# KiCad board CPU2908C3bak.kicad_pcb (continued)
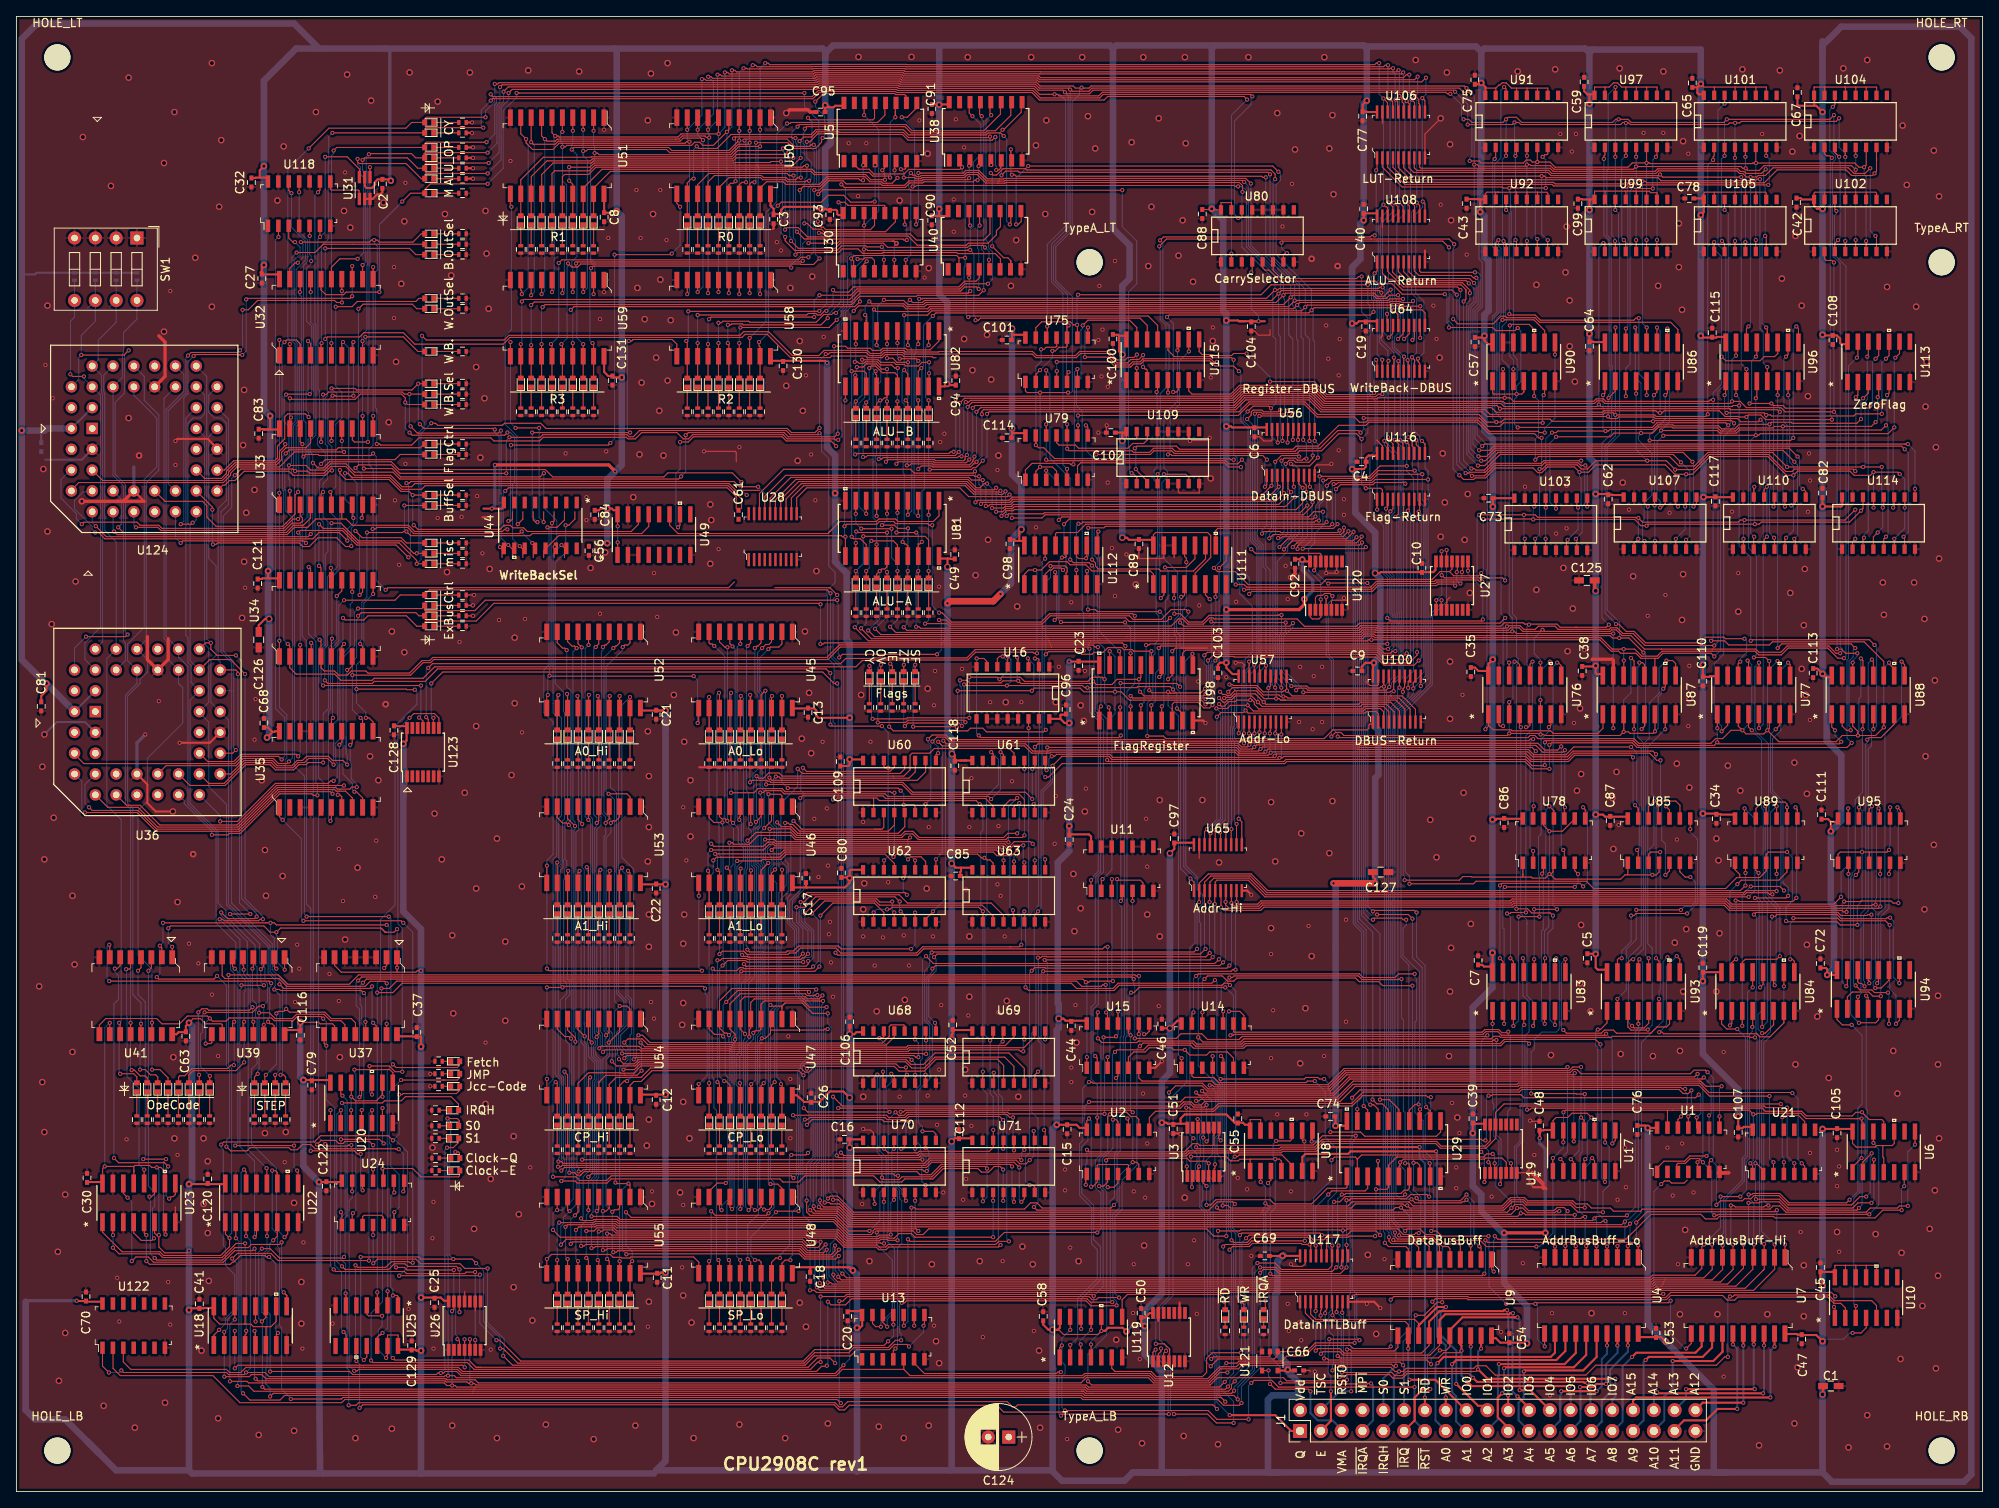
[diagram p0: board, top side]
## Routing (per net, layer and track width the routed paths; a pad name or vN(x,y) marks a point on that pad's centre or on a via; arc(x,y) is an arc through that point) (continued)
  Top w0.127: v1(108.32,100.89) 108.3,100.88 D31.2 ; U15.2 131.92,52.9 v1(131.69,53.14) ; v1(115.4,93.43) 115.05,93.78 108.83,93.78 v1(108.44,93.4) ; v1(122.16,101.78) 122.27,101.67 U16.4 ; U116.8 170.63,119.21 v1(171.04,118.8) ; v1(115.18,98.99) 116.05,98.99 116.36,98.67 120.19,98.67 120.44,98.93 v1(122.29,98.93) 122.61,98.61 131.18,98.61 v1(131.43,98.86) 131.81,98.48 133.72,98.48 134.35,99.11 v1(137.02,99.11) 137.26,99.35 U98.16 ; v1(137.15,97.59) 137.65,97.09 144.9,97.09 v1(145.15,97.34) ; v1(170.97,102.42) 170.97,102.06 170,101.09 167.03,101.09 165.96,102.16 146.2,102.16 v1(145.44,101.4) ; 137.26,100.26 137.02,100.02
  Bottom w0.127: v1(137.15,97.59) 137.02,97.72 v1(137.02,99.11) ; v1(145.15,97.34) 145.53,97.72 145.53,100.96 145.44,101.05 v1(145.44,101.4) ; v1(108.32,100.89) 108.32,93.53 v1(108.44,93.4) ; v1(131.69,53.14) 131.43,53.39 131.43,58.86 132.07,59.49 132.07,74.98 132.7,75.62 132.7,94.16 131.69,95.18 131.69,97.52 131.68,97.52 131.68,98.61 v1(131.43,98.86) ; v1(171.04,118.8) 170.97,118.73 v1(170.97,102.42) ; v1(122.29,98.93) 122.16,99.06 v1(122.16,101.78) ; v1(115.18,98.99) 115.18,98.34 115.33,98.18 115.33,93.85 115.4,93.78 v1(115.4,93.43)
/Sequencer/FlagIn7: length 138
  Top w0.127: v1(145.15,96.07) 144.64,96.57 135.87,96.57 134.85,97.59 v1(134.1,97.59) 130.29,97.59 129.84,98.04 124.26,98.04 v1(123.94,97.72) v1(114.89,97.72) ; v1(109.46,93.34) 114.73,93.34 v1(114.79,93.27) ; v1(171.17,101.4) 170.6,100.83 166.93,100.83 165.94,101.83 148.66,101.83 148.58,101.91 146.87,101.91 v1(146.36,101.4) ; v1(133.45,102.54) 133.45,101.27 ; U16.3 123.54,101.59 v1(123.47,101.66) ; D32.2 109.7,100.88 v1(109.71,100.89) ; v1(171.17,119.56) 171.28,119.68 U116.9 ; v1(132.57,74.73) 132.43,74.59 U11.2
  Bottom w0.127: v1(171.17,119.56) 171.48,119.25 171.48,101.71 v1(171.17,101.4) ; v1(145.15,96.07) 146.04,96.96 146.04,101.02 146.36,101.34 v1(146.36,101.4) ; v1(109.46,93.34) 109.46,100.64 v1(109.71,100.89) ; v1(123.94,97.72) 124.19,97.97 124.19,98.6 124.19,98.61 124.19,100.94 v1(123.47,101.66) ; v1(133.45,102.54) 134.1,101.89 v1(134.1,97.59) 134.1,94.92 133.72,94.54 133.72,75.87 v1(132.57,74.73) ; v1(114.79,93.27) 114.89,93.37 v1(114.89,97.72)
/Sequencer/JG: length 58.6
  Top w0.127: U20.10 v1(43.4,48.44) ; v1(47.99,94.42) 48.5,94.93 51.04,94.93 51.58,94.39 U123.8 ; v1(43.11,51.93) 45.52,51.93 46.21,51.24 v1(47.1,51.24)
  Bottom w0.127: v1(47.99,94.42) 46.57,92.99 46.57,69.3 47.1,68.76 v1(47.1,51.24) ; v1(43.4,48.44) 43.11,48.74 v1(43.11,51.93)
/Sequencer/JL: length 134
  Top w0.127: v1(42.15,46.54) 42.13,46.52 U20.4 ; v1(130.67,53.01) 130.65,53 U15.1 ; v1(133.84,62.28) 131.02,62.28 130.9,62.16 v1(130.54,62.16) 130.16,62.54 42.74,62.54 v1(42.29,62.09) ; v1(133.72,74.73) 133.72,73.33
  Bottom w0.127: 41.96,59.93 41.96,60.06 ; 41.96,60.06 41.96,59.42 42.15,59.24 42.15,57.14 42.4,56.89 42.4,46.79 v1(42.15,46.54) ; 41.96,60.06 41.96,61.76 v1(42.29,62.09) ; v1(133.72,74.73) 133.72,62.41 v1(133.84,62.28) ; v1(130.67,53.01) 130.67,62.03 v1(130.54,62.16)
/Sequencer/JUMP_OP: length 151.8
  Top w0.127: D183.2 54.11,48.98 53.71,48.57 47.2,48.57 47.08,48.44 v1(46.72,48.44) ; v1(106.41,18.34) 105.9,17.84 102.09,17.84 101.59,17.33 97.44,17.33 96.04,15.93 61.55,15.93 59.01,18.47 v1(58.6,18.47) ; v1(56.57,26.47) 56.44,26.34 v1(46.72,26.34) ; v1(24.75,19.74) 24.1,19.09 U18.1 ; v1(25.01,42.35) 25.32,42.66 36.37,42.66 37.13,43.42 45.39,43.42 v1(45.96,42.85) ; v1(107.05,20.38) 107.03,20.39 U13.11
  Bottom w0.127: v1(25.01,42.35) 25.01,41.99 25.26,41.74 25.26,30.03 25.51,29.77 25.51,27.61 26.66,26.47 26.66,22.28 25.51,21.14 25.51,20.5 v1(24.75,19.74) ; v1(56.57,26.47) 56.57,20.5 v1(58.6,18.47) ; v1(107.05,20.38) 107.05,18.98 v1(106.41,18.34) ; v1(46.72,48.44) 46.72,43.62 v1(45.96,42.85) 46.31,42.85 47.74,41.43 47.74,27.36 v1(46.72,26.34)
/Sequencer/OP4: length 33
  Top w0.127: v1(11.78,29.76) 12.53,29.01 17.41,29.01 17.86,28.56 25.09,28.56 26.82,30.28 v1(27.93,30.28) ; v1(28.05,19.61) 28.05,19.25 27.91,19.1 U18.4 ; U23.2 11.78,31.31 v1(11.8,31.3)
  Bottom w0.127: v1(11.8,31.3) 11.8,29.77 v1(11.78,29.76) ; v1(28.05,19.61) 28.05,28.88 27.93,29.01 v1(27.93,30.28)
/Sequencer/OP5: length 31.6
  Top w0.127: U18.7 31.72,19.16 v1(31.92,19.36) ; v1(15.86,31.3) 15.61,31.55 15.61,32.69 ; v1(15.86,28.12) 16.24,27.74 26.13,27.74 26.39,28 26.53,28 27.35,28.82 30.34,28.82 30.34,28.78 30.49,28.63 v1(30.85,28.63)
  Bottom w0.127: v1(31.92,19.36) 31.67,19.61 31.67,27.8 v1(30.85,28.63) ; v1(15.86,28.12) v1(15.86,31.3)
/Sequencer/OP6: length 36.8
  Top w0.127: v1(29.07,29.65) 28.82,29.4 26.65,29.4 25.25,28 16.73,28 16.1,28.63 14.59,28.63 v1(14.08,28.12) ; U18.12 29.18,20.77 v1(29.2,20.76) ; v1(13.57,35.87) 13.05,36.39 U23.14
  Bottom w0.127: v1(29.07,29.65) 29.2,29.52 v1(29.2,20.76) ; v1(14.08,28.12) 14.08,35.36 v1(13.57,35.87)
/Sequencer/OP7: length 35.4
  Top w0.127: U18.9 32.99,23.95 32.87,24.06 ; 33.01,23.04 33.01,23.93 32.87,24.06 ; v1(16.88,28.5) 17.13,28.25 25.15,28.25 26.67,29.77 28.31,29.77 28.69,30.15 32.12,30.15 v1(32.37,30.41) ; v1(16.24,36) 16.5,36 16.86,36.36 U23.11 ; 32.87,24.06 v1(32.62,24.31)
  Bottom w0.127: v1(32.37,30.41) 32.37,24.57 v1(32.62,24.31) ; v1(16.24,36) 16.24,35.64 16.37,35.52 16.37,33.18 16.36,33.17 16.36,31.13 16.35,31.11 16.35,29.03 v1(16.88,28.5)
/Sequencer/OpeCode0: length 39.9
  Top w0.127: U39.3 30.2,64.1 v1(29.83,63.74) ; v1(29.07,31.04) 29.31,31.28 U22.4 ; v1(27.47,61.78) v1(30.21,61.78)
  Bottom w0.127: v1(27.47,61.78) 27.47,61.42 27.29,61.24 27.29,42.09 29.07,40.31 v1(29.07,31.04) ; v1(30.21,61.78) 29.83,62.16 v1(29.83,63.74)
/Sequencer/OpeCode1: length 38.5
  Top w0.127: v1(28.81,63.81) 28.93,63.92 U39.4 ; v1(32.74,31.04) 33.12,31.42 U22.7
  Bottom w0.127: v1(32.74,31.04) 31.74,32.04 31.74,39.43 28.69,42.47 28.69,51.53 29.37,52.21 29.37,57.79 29.19,57.97 29.19,58.64 29.3,58.75 29.3,59.51 28.81,60 v1(28.81,63.81)
/Sequencer/OpeCode2: length 28.8
  Top w0.127: U22.12 30.58,39.41 v1(30.54,39.45) ; v1(27.74,63.68) 27.74,64.14 27.66,64.22 U39.5
  Bottom w0.127: v1(27.74,63.68) 27.74,63.11 28.29,62.56 28.29,41.7 v1(30.54,39.45)
/Sequencer/OpeCode3: length 35.4
  Top w0.127: v1(26.66,63.81) 26.39,64.08 U39.6 ; v1(33.9,42.22) v1(26.72,42.22) ; U22.9 34.39,39.06 v1(34.28,39.17)
  Bottom w0.127: v1(26.66,63.81) 27.03,63.44 27.03,42.53 v1(26.72,42.22) ; v1(34.28,39.17) 33.9,39.55 v1(33.9,42.22)
/Sequencer/OpeCode4: length 38.7
  Top w0.127: v1(16.11,63.56) 16.48,63.92 U41.3 ; v1(16.79,30.9) 16.54,30.65 15.24,30.65 14.32,31.57 14.32,32.31
  Bottom w0.127: 16.62,31.3 16.62,31.3 ; 16.62,31.3 16.62,31.08 v1(16.79,30.9) ; 16.62,31.3 16.62,31.8 16.62,31.8 16.62,34.54 16.88,34.8 16.88,36.5 16.11,37.27 16.11,63.2 16.11,63.2 v1(16.11,63.56)
/Sequencer/OpeCode5: length 38.3
  Top w0.127: 18.13,32.19 18.21,32.11 v1(18.21,31.36) ; v1(18.27,40.57) v1(15.48,40.57) ; v1(14.84,63.56) 15.21,63.92 U41.4
  Bottom w0.127: v1(18.27,40.57) 17.96,40.25 17.96,31.61 v1(18.21,31.36) ; v1(15.48,40.57) 15.73,40.82 15.73,59.75 14.84,60.63 v1(14.84,63.56)
/Sequencer/OpeCode6: length 29
  Top w0.127: v1(15.61,39.29) 15.59,39.27 U23.12 ; U41.5 13.94,63.92 13.76,63.74 v1(13.4,63.74)
  Bottom w0.127: v1(15.61,39.29) 14.97,39.92 14.97,49.2 13.5,50.68 13.5,57.93 13.45,57.98 13.45,63.7 v1(13.4,63.74)
/Sequencer/OpeCode7: length 38.3
  Top w0.127: v1(18.53,39.68) 18.07,40.13 15.82,40.13 15.82,40.13 12.48,40.13 v1(11.91,40.69) ; 19.4,37.01 19.4,36.23 19.16,35.99 18.9,35.99 v1(18.66,35.74) ; U41.6 12.67,64.17 12.3,63.81 v1(12.02,63.81)
  Bottom w0.127: v1(18.66,35.74) 18.27,36.12 18.27,39.43 v1(18.53,39.68) ; v1(12.02,63.81) 12.02,63.4 12.46,62.96 12.46,60.06 11.91,59.51 v1(11.91,40.69)
/Sequencer/RegCtrl20: length 18.9
  Top w0.127: U34.12 42.26,109.77 v1(41.9,109.4) ; 49.75,115.75 47.61,115.75 46.97,116.39 42.21,116.39 v1(41.39,117.22)
  Bottom w0.127: v1(41.39,117.22) 41.9,116.71 v1(41.9,109.4)
/TSC: length 116.4
  Top w0.127: v1(197.72,32.82) 199.05,34.15 214.68,34.15 v1(214.87,34.34) ; 148.19,40.36 147.67,40.88 v1(143.37,40.88) ; 148.19,40.36 148.27,40.36 ; 148.19,40.36 148.27,40.36 ; U8.4 154.4,40.33 154.16,40.57 v1(153.66,40.57) 150.61,40.57 150.59,40.55 ; U8.1 150.59,40.55 ; 150.59,40.55 149.32,40.55 149.13,40.36 148.27,40.36 ; v1(153.77,42.79) 155.48,42.79 155.67,42.98 U8.10 ; v1(179.18,26.6) 178.93,26.34 153.31,26.34 v1(153.06,26.6) ; 215.87,28.58 215.87,30.14 v1(215.89,30.15) ; 197.96,28.58 v1(197.96,30.04) 197.6,30.41 179.56,30.41 v1(179.31,30.66) ; v1(143.5,37.14) 143.5,38.03 143.62,38.16
  Bottom w0.127: v1(179.18,26.6) 179.31,26.72 v1(179.31,30.66) ; v1(197.72,32.82) 197.72,30.28 v1(197.96,30.04) ; v1(214.87,34.34) 214.87,31.17 v1(215.89,30.15) ; v1(143.37,40.88) 143.37,37.27 v1(143.5,37.14) ; v1(153.77,42.79) 153.4,42.42 153.4,40.82 v1(153.66,40.57) 153.66,34.6 153.06,34 v1(153.06,26.6)
/VMA: length 15.1
  Top w0.127: v1(152.83,14.79) 152.82,14.77 U121.4 ; v1(157.96,12.23) 157.69,12.5 153.66,12.5 v1(153.02,13.14)
  Bottom w0.127: v1(153.02,13.14) 153.02,13.9 152.83,14.08 v1(152.83,14.79)
  Bottom w0.25: 161.78,7.55 160.64,8.69 158.85,8.69 157.96,9.58 v1(157.96,12.23)
/~{clkE}: length 329.7
  Top w0.127: 146.83,44.41 146.83,43.46 146.74,43.38 146.74,43.1 v1(146.99,42.85) ; U32.11 43.53,149.39 v1(43.55,149.41) ; v1(159.62,50.35) 159.05,50.35 158.86,50.53 157.4,50.53 157.21,50.35 v1(146.99,50.35) ; v1(146.29,62.41) 145.91,62.03 134.48,62.03 133.84,61.4 129.4,61.4 128.76,62.03 47.1,62.03 45.95,60.89 v1(44.05,60.89) ; v1(160.39,43.87) 164.07,43.87 164.58,43.36 173.34,43.36 173.85,43.87 173.85,45.01 ; 63.09,113.97 63.09,115.64 v1(62.98,115.75) ; U35.11 43.53,93.92 43.04,94.42 v1(42.66,94.42) ; 43.53,129.7 43.53,131.23 v1(43.55,131.25) ; v1(41.52,97.91) 47.61,97.91 47.68,97.84 v1(48.63,97.84) ; v1(61.68,117.16) 61.42,116.9 59.43,116.9 59.43,116.89 48.5,116.89 47.75,117.65 44.02,117.65 43.84,117.47 v1(43.49,117.47) ; v1(44.05,24.31) 44.05,23.17 ; v1(43.55,109.53) 43.55,111.05
  Bottom w0.127: v1(146.29,62.41) 146.54,62.16 146.54,50.8 v1(146.99,50.35) 146.99,49.99 147.18,49.81 147.18,43.04 v1(146.99,42.85) ; v1(44.05,24.31) v1(44.05,60.89) 44.05,62.03 44.44,62.41 44.44,69.79 46.21,71.57 46.21,93.4 48.88,96.07 48.88,97.59 v1(48.63,97.84) ; v1(43.55,149.41) v1(43.55,131.25) 43.55,127.69 43.04,127.18 43.04,125.28 43.55,124.77 43.55,117.53 v1(43.49,117.47) 43.55,117.41 v1(43.55,109.53) 42.4,108.39 42.4,101.78 41.52,100.89 41.52,97.97 ; 41.52,97.97 v1(41.52,97.91) ; 41.52,97.97 41.52,96.19 42.66,95.05 v1(42.66,94.42) ; v1(61.68,117.16) 61.68,117.05 v1(62.98,115.75) ; v1(159.62,50.35) 160.13,49.84 160.13,49.08 160.36,48.85 160.36,43.9 v1(160.39,43.87)
/~{clkQ}: length 180
  Top w0.127: v1(143.56,102.23) 143.61,102.18 U98.11 ; v1(212.33,35.67) 215.19,35.67 216.27,34.6 224.14,34.6 224.78,35.23 v1(226.43,35.23) ; v1(226.73,40.51) 226.73,40.23 226.66,40.17 U6.3 ; U21.2 213.2,39.23 212.38,40.06 v1(212.27,40.06) ; v1(146.29,39.93) 146.29,39.47 146.18,39.36 146.18,38.51 ; v1(212.2,55.43) 211.57,55.43 211.44,55.55 194.8,55.55 194.68,55.43 181.16,55.43 181.04,55.55 180.33,55.55 180.01,55.24 149.83,55.24 149.45,54.86 144.83,54.86 v1(144.26,55.43)
  Bottom w0.127: v1(146.29,39.93) 146.29,43.16 146.67,43.54 146.67,49.54 144.26,51.96 v1(144.26,55.43) 144.26,62.54 144.56,62.84 144.56,69.35 144.38,69.52 144.38,71.3 144.81,71.73 144.81,72.78 144.13,73.46 144.13,74.98 142.73,76.38 142.73,101.41 v1(143.56,102.23) ; v1(212.2,55.43) 212.46,55.17 212.46,40.6 212.27,40.41 v1(212.27,40.06) 212.27,35.73 v1(212.33,35.67) ; v1(226.73,40.51) 226.73,35.53 v1(226.43,35.23)
/~{IRQA}: length 44.6
  Top w0.127: v1(165.34,13.2) 164.99,13.2 164.93,13.14 161.4,13.14 161.28,13.26 v1(154.29,13.26) ; U8.3 153.13,38 152.78,37.65 v1(152.77,37.65)
  Bottom w0.127: v1(154.29,13.26) 154.29,15.17 152.89,16.56 152.89,24.95 152.51,25.33 152.51,34.1 153.02,34.61 153.02,37.39 v1(152.77,37.65)
  Bottom w0.25: v1(165.34,13.2) 165.59,12.94 165.59,8.69 164.32,7.42
/~{IRQ}: length 71.3
  Top w0.127: v1(172.83,23.17) 173.21,23.55 177.05,23.55 177.17,23.42 177.27,23.42 177.27,23.42 201.4,23.42 201.92,23.93 208.27,23.93 208.83,23.36 209.73,23.36 210.1,23.74 221.1,23.74 221.86,22.97 222.68,22.97 223.25,22.41 223.25,21.14
  Top w0.25: v1(172.58,12.5) 171.69,12.5 170.67,11.49 170.67,8.69 J1.11
  Bottom w0.127: v1(172.83,23.17) 173.08,22.92 173.08,17.54 172.24,16.7 172.24,12.84 v1(172.58,12.5)
/~{RD}: length 48.1
  Top w0.25: J1.14 v1(171.93,11.49) ; 158.21,44.89 158.1,44.78 v1(158.1,42.73) ; v1(160.2,41.97) 160.27,42.03 v1(171.27,42.03)
  Bottom w0.25: v1(158.1,42.73) 159.44,42.73 v1(160.2,41.97) ; v1(171.93,11.49) 171.93,11.49 171.93,40.05 171.27,40.71 v1(171.27,42.03)
/~{Reset}: length 422.6
  Top w0.127: 32.1,120.58 v1(32.1,121.86) ; v1(41.9,10.22) 42.28,10.6 99.81,10.6 100.31,10.1 100.32,10.1 100.45,9.97 101.08,9.97 101.65,10.54 119.68,10.54 120.51,9.71 127.82,9.71 v1(128,9.89) 145.47,9.89 146.54,8.82 v1(150.4,8.82) ; v1(41.39,27.61) 41.64,27.36 45.08,27.36 45.77,28.05 47.89,28.05 48.02,27.93 v1(48.37,27.93) ; v1(127.6,17.84) 127.35,17.58 127.35,16.15 ; v1(32.1,140.52) 32.1,138.99 ; v1(170.8,21.52) 171.83,21.52 173.42,23.11 v1(174.04,23.11) ; 188.82,43.36 v1(188.82,42.62) ; 201.53,46.54 202.17,46.54 211.51,46.54 v1(212.02,46.03) 212.37,46.03 212.5,46.16 217.79,46.16 218.43,45.52 224.7,45.5 224.73,45.52 v1(225.22,45.52) 225.22,45.26 ; 201.53,46.54 U1.13 ; 201.53,46.54 189.09,46.54 v1(188.84,46.28) ; v1(35.04,69.65) 46.98,69.65 v1(47.23,69.4) ; v1(185.53,29.9) 179.42,29.9 178.66,30.66 v1(174.99,30.66) ; U35.1 32.1,82.35 32.48,81.97 v1(32.5,81.97) ; v1(225.22,40.69) 224.12,39.6 224.12,38.76 ; v1(128.64,19.74) 128.64,21.53 128.62,21.55 ; v1(170.66,12.75) 154.05,12.75 153.23,13.58 151.05,13.58 v1(150.74,13.26) ; 187.55,38.92 v1(187.55,40.69) ; U6.13 225.4,45.04 225.22,45.22 ; v1(32.1,103.81) 32.1,102.29 ; 211.93,38.92 211.93,39.77 v1(211.64,40.06) ; 41.5,17.96 v1(41.5,15.93)
  Bottom w0.127: v1(170.8,21.52) 170.66,21.38 v1(170.66,12.75) ; v1(41.39,27.61) 41.39,16.04 v1(41.5,15.93) 41.9,15.53 v1(41.9,10.22) ; v1(47.23,69.4) 48.37,68.25 v1(48.37,27.93) ; v1(225.22,40.69) v1(225.22,45.52) ; v1(188.84,46.28) 188.84,42.63 v1(188.82,42.62) 188.82,41.97 v1(187.55,40.69) 187.55,31.53 185.91,29.9 v1(185.53,29.9) ; v1(174.99,30.66) 174.04,29.71 v1(174.04,23.11) ; v1(128.64,19.74) 127.6,18.71 v1(127.6,17.84) 127.6,15.82 128,15.42 128,14.41 127.6,14.01 127.6,10.29 v1(128,9.89) ; v1(212.02,46.03) 212.02,40.43 v1(211.64,40.06) ; v1(150.4,8.82) 150.4,12.93 v1(150.74,13.26) ; v1(32.1,140.52) 32.12,140.5 32.12,121.88 v1(32.1,121.86) v1(32.1,103.81) 32.1,95.7 33.01,94.8 33.01,89.48 32.82,89.29 32.82,82.29 v1(32.5,81.97) 34.78,79.68 34.78,69.91 v1(35.04,69.65) ; 170.66,11.26 170.66,11.1
  Bottom w0.25: J1.13 170.66,8.67 v1(170.66,12.75)
/~{TSC}: length 87.3
  Top w0.127: v1(203.19,45.78) 202.81,45.39 U1.12 ; v1(203.69,49.14) 203.34,49.14 203.15,49.33 183.63,49.33 183.31,49.01 163.99,49.01 v1(163.04,48.06)
  Bottom w0.127: v1(203.69,49.14) 203.69,48.78 203.95,48.53 203.95,46.54 v1(203.19,45.78) ; v1(163.04,48.06) 163.04,43.22 162.8,42.98 162.8,24.07 162.67,23.95 162.67,17.96 162.93,17.71 v1(162.93,12.25) ; 159.35,10.09 159.37,10.09
  Bottom w0.25: v1(162.93,12.25) 161.53,12.25 J1.4
/~{WR}: length 49.8
  Top w0.25: 156.97,39.56 156.97,40.83 157.34,41.2 162.55,41.2 162.86,41.52 v1(173.28,41.52) ; J1.16 v1(174.47,11.49)
  Bottom w0.25: v1(174.47,11.49) 174.47,17.84 173.4,18.91 173.4,41.46
Net-(D1-Pad1): length 3.1
  Top w0.127: D1.1 54.07,167.06
Net-(D2-Pad1): length 3
  Top w0.127: D2.1 53.94,165.79
Net-(D3-Pad1): length 3
  Top w0.127: D3.1 53.94,164.01
Net-(D4-Pad1): length 3
  Top w0.127: D4.1 53.94,162.74
Net-(D5-Pad1): length 3
  Top w0.127: D5.1 53.94,161.47
Net-(D6-Pad1): length 3
  Top w0.127: D6.1 53.94,160.2
Net-(D7-Pad1): length 3
  Top w0.127: D7.1 53.94,158.42
Net-(D8-Pad1): length 3
  Top w0.127: D8.1 53.94,153.47
Net-(D9-Pad1): length 3
  Top w0.127: D9.1 53.94,152.2
Net-(D10-Pad1): length 3
  Top w0.127: D10.1 53.94,150.93
Net-(D11-Pad1): length 3
  Top w0.127: D11.1 53.94,145.6
Net-(D12-Pad1): length 3
  Top w0.127: D12.1 53.94,144.33
Net-(D13-Pad1): length 3
  Top w0.127: D13.1 53.94,139.12
Net-(D14-Pad1): length 3
  Top w0.127: D14.1 53.94,135.18
Net-(D15-Pad1): length 3
  Top w0.127: D15.1 53.94,133.91
Net-(D16-Pad1): length 3
  Top w0.127: D16.1 53.94,132.64
Net-(D17-Pad1): length 3
  Top w0.127: D17.1 53.94,127.82
Net-(D18-Pad1): length 3
  Top w0.127: D18.1 53.94,126.55
Net-(D19-Pad1): length 3
  Top w0.127: D19.1 53.94,121.59
Net-(D20-Pad1): length 3
  Top w0.127: D20.1 53.94,120.32
Net-(D21-Pad1): length 3
  Top w0.127: D21.1 53.94,115.75
Net-(D22-Pad1): length 3
  Top w0.127: D22.1 53.94,114.48
Net-(D23-Pad1): length 3
  Top w0.127: D23.1 53.94,113.21
Net-(D24-Pad1): length 3
  Top w0.127: D24.1 53.94,109.4
Net-(D25-Pad1): length 3
  Top w0.127: D25.1 53.94,108.13
Net-(D26-Pad1): length 3
  Top w0.127: D26.1 53.94,106.86
Net-(D27-Pad1): length 3
  Top w0.127: D27.1 53.94,105.59
Net-(D28-Pad1): length 2.6
  Top w0.127: D28.1 104.11,96.32
Net-(D29-Pad1): length 2.8
  Top w0.127: D29.1 105.51,96.19
Net-(D30-Pad1): length 2.9
  Top w0.127: D30.1 106.9,96.07
Net-(D31-Pad1): length 2.8
  Top w0.127: D31.1 108.3,96.19
Net-(D32-Pad1): length 2.8
  Top w0.127: D32.1 109.7,96.19
Net-(D33-Pad1): length 2.5
  Top w0.127: D33.1 90.78,152.07
Net-(D34-Pad1): length 2.5
  Top w0.127: D34.1 89.5,152.07
Net-(D35-Pad1): length 2.5
  Top w0.127: D35.1 88.23,152.07
Net-(D36-Pad1): length 2.5
  Top w0.127: D36.1 86.97,152.07
Net-(D37-Pad1): length 2.5
  Top w0.127: D37.1 85.69,152.07
Net-(D38-Pad1): length 2.5
  Top w0.127: D38.1 84.42,152.07
Net-(D39-Pad1): length 2.6
  Top w0.127: D39.1 83.16,151.95
Net-(D40-Pad1): length 2.5
  Top w0.127: D40.1 81.89,152.07
Net-(D41-Pad1): length 2.5
  Top w0.127: D41.1 70.45,152.07
Net-(D42-Pad1): length 2.5
  Top w0.127: D42.1 69.19,152.07
Net-(D43-Pad1): length 2.5
  Top w0.127: D43.1 67.92,152.07
Net-(D44-Pad1): length 2.5
  Top w0.127: D44.1 66.64,152.07
Net-(D45-Pad1): length 2.5
  Top w0.127: D45.1 65.38,152.07
Net-(D46-Pad1): length 2.5
  Top w0.127: D46.1 64.11,152.07
Net-(D47-Pad1): length 2.5
  Top w0.127: D47.1 62.83,152.07
Net-(D48-Pad1): length 2.5
  Top w0.127: D48.1 61.56,152.07
Net-(D49-Pad1): length 2.5
  Top w0.127: D49.1 90.78,132.26
Net-(D50-Pad1): length 2.5
  Top w0.127: D50.1 89.5,132.26
Net-(D51-Pad1): length 2.5
  Top w0.127: D51.1 88.23,132.26
Net-(D52-Pad1): length 2.5
  Top w0.127: D52.1 86.97,132.26
Net-(D53-Pad1): length 2.5
  Top w0.127: D53.1 85.69,132.26
Net-(D54-Pad1): length 2.5
  Top w0.127: D54.1 84.42,132.26
Net-(D55-Pad1): length 2.5
  Top w0.127: D55.1 83.16,132.26
Net-(D56-Pad1): length 2.5
  Top w0.127: D56.1 81.89,132.26
Net-(D57-Pad1): length 2.5
  Top w0.127: D57.1 70.45,132.26
Net-(D58-Pad1): length 2.5
  Top w0.127: D58.1 69.19,132.26
Net-(D59-Pad1): length 2.5
  Top w0.127: D59.1 67.92,132.26
Net-(D60-Pad1): length 2.5
  Top w0.127: D60.1 66.64,132.26
Net-(D61-Pad1): length 2.5
  Top w0.127: D61.1 65.38,132.26
Net-(D62-Pad1): length 2.5
  Top w0.127: D62.1 64.11,132.26
Net-(D63-Pad1): length 2.5
  Top w0.127: D63.1 62.83,132.26
Net-(D64-Pad1): length 2.6
  Top w0.127: D64.1 61.56,132.13
Net-(D65-Pad1): length 2.5
  Top w0.127: D65.1 93.44,89.34
Net-(D66-Pad1): length 2.5
  Top w0.127: D66.1 92.17,89.34
Net-(D67-Pad1): length 2.6
  Top w0.127: D67.1 90.9,89.21
Net-(D68-Pad1): length 2.5
  Top w0.127: D68.1 89.63,89.34
Net-(D69-Pad1): length 2.5
  Top w0.127: D69.1 88.36,89.34
Net-(D70-Pad1): length 2.5
  Top w0.127: D70.1 87.09,89.34
Net-(D71-Pad1): length 2.5
  Top w0.127: D71.1 85.82,89.34
Net-(D72-Pad1): length 2.5
  Top w0.127: D72.1 84.55,89.34
Net-(D73-Pad1): length 2.5
  Top w0.127: D73.1 74.9,89.34
Net-(D74-Pad1): length 2.5
  Top w0.127: D74.1 73.63,89.34
Net-(D75-Pad1): length 2.5
  Top w0.127: D75.1 72.36,89.34
Net-(D76-Pad1): length 2.5
  Top w0.127: D76.1 71.09,89.34
Net-(D77-Pad1): length 2.5
  Top w0.127: D77.1 69.82,89.34
Net-(D78-Pad1): length 2.5
  Top w0.127: D78.1 68.55,89.34
Net-(D79-Pad1): length 2.5
  Top w0.127: D79.1 67.28,89.34
Net-(D80-Pad1): length 2.5
  Top w0.127: D80.1 66.01,89.34
Net-(D81-Pad1): length 2.5
  Top w0.127: D81.1 93.44,68
Net-(D82-Pad1): length 2.5
  Top w0.127: D82.1 92.17,68
Net-(D83-Pad1): length 2.5
  Top w0.127: D83.1 90.9,68
Net-(D84-Pad1): length 2.5
  Top w0.127: D84.1 89.63,68
Net-(D85-Pad1): length 2.5
  Top w0.127: D85.1 88.36,68
Net-(D86-Pad1): length 2.5
  Top w0.127: D86.1 87.09,68
Net-(D87-Pad1): length 2.5
  Top w0.127: D87.1 85.82,68
Net-(D88-Pad1): length 2.4
  Top w0.127: D88.1 84.55,68.13
Net-(D89-Pad1): length 2.5
  Top w0.127: D89.1 74.9,68
Net-(D90-Pad1): length 2.5
  Top w0.127: D90.1 73.63,68
Net-(D91-Pad1): length 2.5
  Top w0.127: D91.1 72.36,68
Net-(D92-Pad1): length 2.5
  Top w0.127: D92.1 71.09,68
Net-(D93-Pad1): length 2.5
  Top w0.127: D93.1 69.82,68
Net-(D94-Pad1): length 2.5
  Top w0.127: D94.1 68.55,68
Net-(D95-Pad1): length 2.5
  Top w0.127: D95.1 67.28,68
Net-(D96-Pad1): length 2.5
  Top w0.127: D96.1 66.01,68
Net-(D97-Pad1): length 2.5
  Top w0.127: D97.1 93.44,42.22
Net-(D98-Pad1): length 2.6
  Top w0.127: D98.1 92.17,42.09
Net-(D99-Pad1): length 2.5
  Top w0.127: D99.1 90.9,42.22
Net-(D100-Pad1): length 2.6
  Top w0.127: D100.1 89.63,42.09
Net-(D101-Pad1): length 2.6
  Top w0.127: D101.1 88.36,42.09
Net-(D102-Pad1): length 2.5
  Top w0.127: D102.1 87.09,42.22
Net-(D103-Pad1): length 2.6
  Top w0.127: D103.1 85.82,42.09
Net-(D104-Pad1): length 2.6
  Top w0.127: D104.1 84.55,42.09
Net-(D105-Pad1): length 2.6
  Top w0.127: D105.1 74.9,42.09
Net-(D106-Pad1): length 2.6
  Top w0.127: D106.1 73.63,42.09
Net-(D107-Pad1): length 2.6
  Top w0.127: D107.1 72.36,42.09
Net-(D108-Pad1): length 2.6
  Top w0.127: D108.1 71.09,42.09
Net-(D109-Pad1): length 2.6
  Top w0.127: D109.1 69.82,42.09
Net-(D110-Pad1): length 2.6
  Top w0.127: D110.1 68.55,42.09
Net-(D111-Pad1): length 2.5
  Top w0.127: D111.1 67.28,42.22
Net-(D112-Pad1): length 2.5
  Top w0.127: D112.1 66.01,42.22
Net-(D113-Pad1): length 2.5
  Top w0.127: D113.1 93.44,20.5
Net-(D114-Pad1): length 2.4
  Top w0.127: D114.1 92.17,20.63
Net-(D115-Pad1): length 2.6
  Top w0.127: D115.1 90.9,20.38
Net-(D116-Pad1): length 2.5
  Top w0.127: D116.1 89.63,20.5
Net-(D117-Pad1): length 2.5
  Top w0.127: D117.1 88.36,20.5
Net-(D118-Pad1): length 2.5
  Top w0.127: D118.1 87.09,20.5
Net-(D119-Pad1): length 2.5
  Top w0.127: D119.1 85.82,20.5
Net-(D120-Pad1): length 2.5
  Top w0.127: D120.1 84.55,20.5
Net-(D121-Pad1): length 2.5
  Top w0.127: D121.1 74.9,20.5
Net-(D122-Pad1): length 2.5
  Top w0.127: D122.1 73.63,20.5
Net-(D123-Pad1): length 2.5
  Top w0.127: D123.1 72.36,20.5
Net-(D124-Pad1): length 2.5
  Top w0.127: D124.1 71.09,20.5
Net-(D125-Pad1): length 2.5
  Top w0.127: D125.1 69.82,20.5
Net-(D126-Pad1): length 2.4
  Top w0.127: D126.1 68.55,20.63
Net-(D127-Pad1): length 2.5
  Top w0.127: D127.1 67.28,20.5
Net-(D128-Pad1): length 2.5
  Top w0.127: D128.1 66.01,20.5
Net-(D129-Pad1): length 2.8
  Top w0.127: D129.1 111.35,107.62
Net-(D130-Pad1): length 2.8
  Top w0.127: D130.1 110.08,107.62
Net-(D131-Pad1): length 2.8
  Top w0.127: D131.1 108.81,107.62
Net-(D132-Pad1): length 2.6
  Top w0.127: D132.1 107.54,107.75
Net-(D133-Pad1): length 2.8
  Top w0.127: D133.1 106.27,107.62
Net-(D134-Pad1): length 2.6
  Top w0.127: D134.1 105,107.75
Net-(D135-Pad1): length 2.6
  Top w0.127: D135.1 103.73,107.75
Net-(D136-Pad1): length 2.6
  Top w0.127: D136.1 102.46,107.75
Net-(D137-Pad1): length 2.6
  Top w0.127: 111.35,131.08 111.35,128.45
Net-(D138-Pad1): length 2.6
  Top w0.127: 110.08,131.08 110.08,128.45
Net-(D139-Pad1): length 2.6
  Top w0.127: 108.81,131.08 108.81,128.45
Net-(D140-Pad1): length 2.6
  Top w0.127: 107.54,131.08 107.54,128.45
Net-(D141-Pad1): length 2.8
  Top w0.127: 106.27,131.08 106.27,128.32
Net-(D142-Pad1): length 2.6
  Top w0.127: 105,131.08 105,128.45
Net-(D143-Pad1): length 2.5
  Top w0.127: 103.73,131.08 103.73,128.58
Net-(D144-Pad1): length 2.6
  Top w0.127: 102.46,131.08 102.46,128.45
Net-(D145-Pad1): length 1
  Top w0.127: D145.1 152.24,20.14
Net-(D145-Pad2): length 108
  Top w0.127: 169.98,35.35 170.48,34.85 181.34,34.85 182.36,35.87 184.09,35.87 184.48,35.48 189.98,35.48 190.36,35.1 191.75,35.1 192.26,34.6 194.57,34.6 194.95,34.22 198.23,34.22 198.49,34.47 214.04,34.47 214.42,34.85 215.25,34.85 216.01,34.09 225.78,34.09 226.28,34.6 229.6,34.6 229.86,34.85 v1(230.87,34.85) ; 169.98,35.35 169.92,35.35 ; 169.98,35.35 169.92,35.35 ; v1(152.45,35.17) 152.77,34.85 162.53,34.85 163.03,35.35 169.92,35.35 ; 152.24,22.28 152.45,22.49 v1(152.45,23.3) ; v1(151.88,37.77) 151.86,37.79 U8.2 ; 231.75,44.16 v1(231.75,42.35)
  Bottom w0.127: v1(152.45,23.3) 152.45,23.65 152.26,23.84 152.26,34.63 152.45,34.82 v1(152.45,35.17) 152.45,37.2 v1(151.88,37.77) ; v1(230.87,34.85) 230.87,41.47 v1(231.75,42.35)
Net-(D146-Pad1): length 1.1
  Top w0.127: D146.1 149.83,20.01
Net-(D146-Pad2): length 53.7
  Top w0.127: v1(149.47,16.95) 145.96,16.95 145.28,16.27 145.28,14.54 144.77,14.03 139.15,14.03 138.51,14.66 134.1,14.66 133.7,15.06 U119.6 ; D146.2 149.83,22.87 v1(149.53,23.17) ; v1(148.71,40.88) 149.07,40.88 149.26,41.08 154.47,41.08 155.62,39.93 155.62,39.24
  Bottom w0.127: v1(149.47,16.95) 149.53,17.01 v1(149.53,23.17) 148.83,23.87 148.83,31.45 148.2,32.08 148.2,34.94 148.22,34.96 148.22,40.39 v1(148.71,40.88)
